# KiCad board srvant.kicad_pcb (continued)
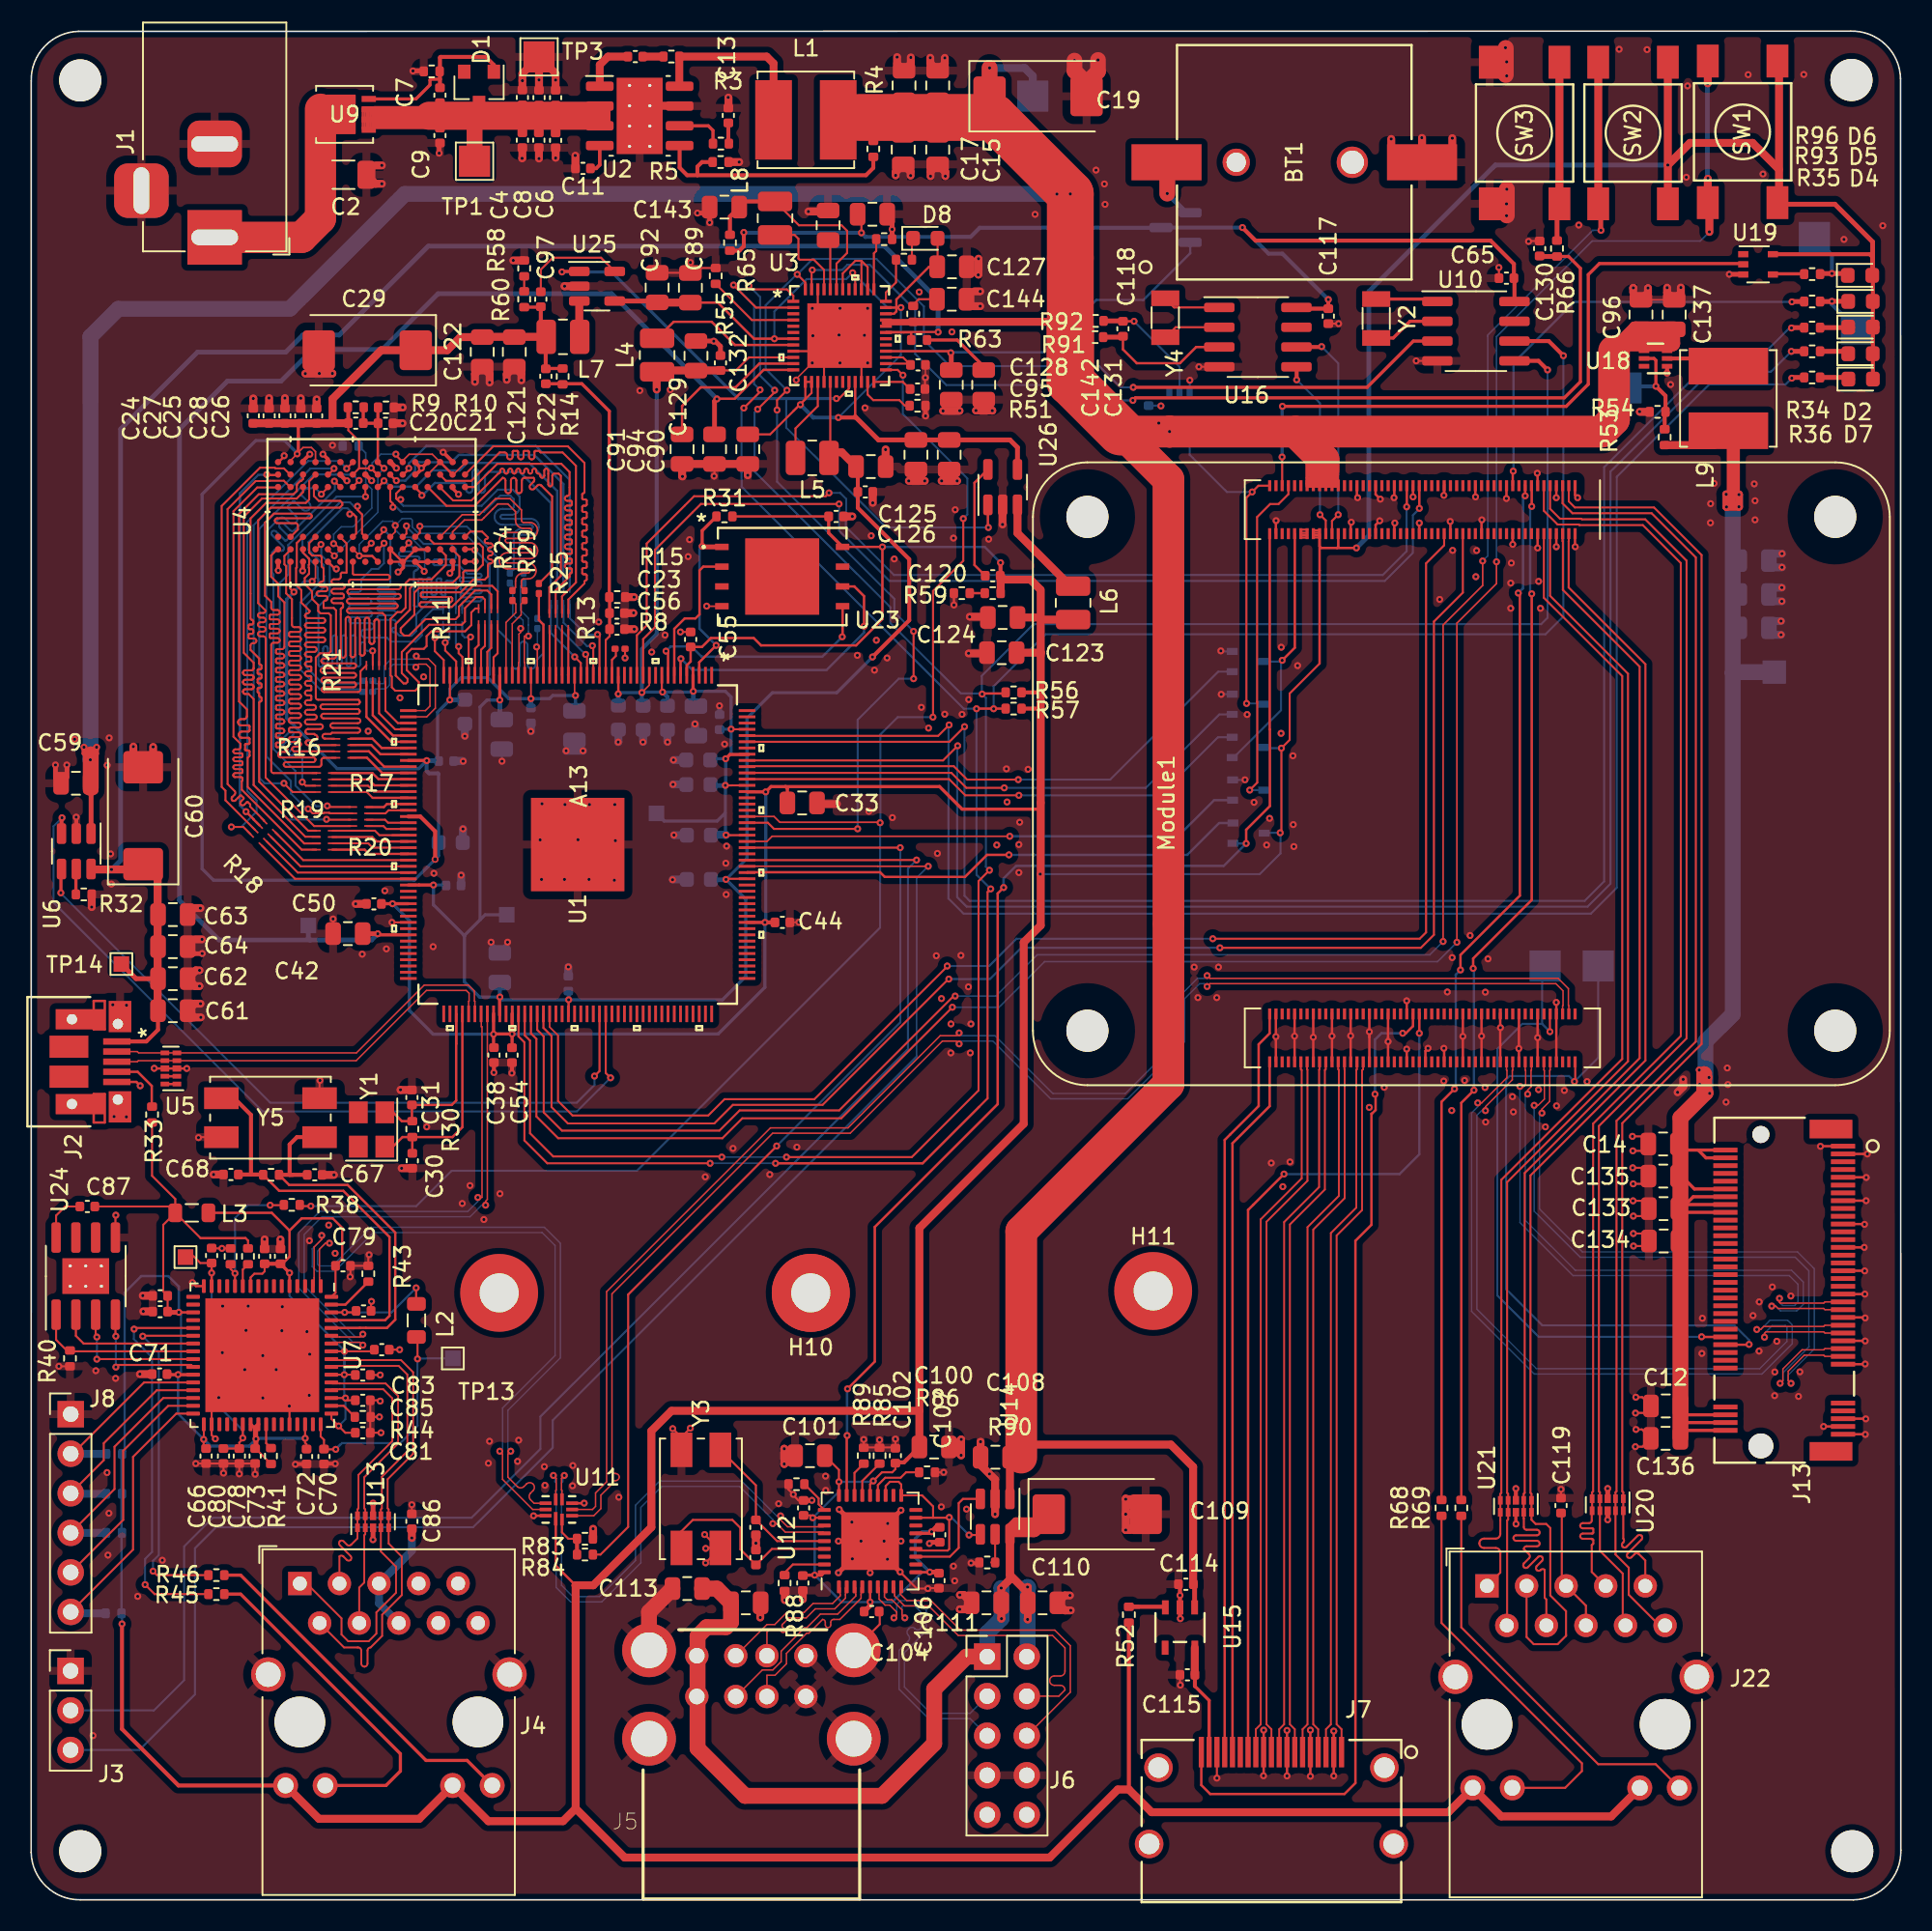
[diagram p0: board, top side]
## Routing (per net, layer and track width the routed paths; a pad name or vN(x,y) marks a point on that pad's centre or on a via; arc(x,y) is an arc through that point) (continued)
  Top w0.508: 62.88,28.42 62.82,28.37 U14.1 ; 56.64,101.34 66.28,101.34 66.7,100.91 ; 74.62,20.27 74.58,20.31 74.58,27.8 73.15,29.24 64.16,29.24
  Top w1.016: 101.6,99.46 103,100.85 C137.1 ; 102.05,97.88 102.05,99.9 ; 105.33,100.59 105.33,99.95 102.09,99.95 ; 3.83,71.4 3.83,73.56 ; C19.1 61.52,117.64
  Top w2.032: 101.6,99.46 101.6,95.07 100.81,94.28 81.15,94.28 ; 81.15,94.28 82.96,92.48 82.96,91.82 ; 81.15,94.28 73.07,94.28 v1(73.07,94.29) 73.06,94.28 69.93,94.28 73,91.21 73,62.71 ; 63.55,28.4 63.55,42.93 73,52.38 73,62.61
  Top w3: 66.7,100.91 v1(66.7,109.55) 61.79,114.46 53.14,114.46
  Top w3.048: 66.73,97.49 69.93,94.28 ; 66.7,100.91 66.7,97.49
  Bottom w0.13: 71.68,95 C116.1 71.89,94.83 ; v1(73.07,94.29) 73.06,94.3
  Bottom w0.203: 71.89,94.83 v1(72.38,94.83) U17.5
  Bottom w0.254: 73.06,94.3 U17.5
  Bottom w0.508: TP2.1 64.29,117.12 63.77,117.64 v1(61.52,117.64)
  Bottom w1.016: v1(66.7,109.55) 23.98,109.55 16.6,102.18 5.59,102.18 3.81,100.39 ; v1(3.8,73.21) 3.81,73.22 3.81,100.39 ; 3.81,100.39 3.81,96.22
  vias: v1(65.84,109.54)
/+5V_OTG: length 115
  Top w0.102: 6.85,66.17 C60.1 ; U6.6 3.88,66.17
  Top w0.13: v1(58.21,100.68) 58.21,100.68 54.9,100.68 U3.31 56.49,100.65
  Top w0.152: 56.49,100.65 R63.1
  Top w0.254: J2.1 7.39,55.12 8.14,55.87 C61.1
  Top w0.305: TP14.1 6.73,59.16 C62.1
  Top w0.508: 3.88,66.17 6.85,66.17 ; C60.1 8.12,65.58 8.12,57.12
  Bottom w0.305: v1(58.21,100.68) 58.21,102.76 54.77,106.2 25.49,106.2 19.78,100.49 17.44,100.49 16.34,99.39 10.68,99.39 5.74,94.45 5.74,66.75 v1(5.16,66.17)
/a13 usb/ethernet/VDD18CORE: length 17.5
  Top w0.13: 13.58,29.77 v1(13.58,29.66) ; 13.58,29.77 13.58,29.59 13.36,29.37 C78.1 C80.1 ; 13.58,29.77 U7.38 ; 11.58,40.9 C82.1 10.86,40.9 10.43,41.33 9.96,41.33
  Top w0.147: U7.15 v1(11.58,40.26) 11.58,40.9
  Bottom w0.13: v1(13.58,29.66) 13.58,30.16 11.58,32.16 v1(11.58,40.26)
/a13 usb/ethernet/VDD18ETHPLL: length 16.7
  Top w0.13: L2.1 24.8,36.08 v1(24.8,34.74) ; U7.48 18.58,29.76 18.8,29.54 C70.1 18.82,28.93 v1(19.55,28.93)
  Bottom w0.13: 19.81,29.24 19.55,28.97 v1(19.55,28.93) 19.96,29.34 23.7,29.34 24.8,30.44 v1(24.8,34.74) 24.83,34.77 TP13.1
/a13 usb/ethernet/VDD18USBPLL: length 8
  Top w0.13: 20.01,37.73 20.76,37.73 C74.1 ; 20.01,37.73 v1(20.12,37.73) ; 20.01,37.73 U7.62 ; L2.2 24.71,38.29 v1(24.71,39.3)
  Bottom w0.13: v1(24.71,39.3) 23.14,37.73 v1(20.12,37.73)
/a13 usb/ethernet/VDD33A: length 43.2
  Top w0.13: C85.1 20.32,32.08 v1(20.17,32.23) U7.51 ; 20.21,35.23 21.92,35.23 C84.1 ; 20.21,35.23 v1(20.11,35.23) ; 20.21,35.23 U7.57 ; U7.10 14.08,39.97 14.33,40.21 14.83,40.21 14.99,40.36 C76.1 ; C79.1 19.54,38.99 U7.64 ; 19.63,30.53 19.27,30.89 U7.49 ; 19.63,30.53 v1(19.74,30.43) ; 19.63,30.53 20.17,30 C81.1 ; 20.96,33.66 20.89,33.73 v1(20.1,33.73) U7.54 ; C77.1 16.13,40.85
  Top w0.147: C79.1 19.96,41.15 19.96,43.15 19.35,43.76 17.37,43.76 ; U7.5 v1(16.58,40.26)
  Top w0.152: 16.58,42.98 16.58,41.3 16.13,40.85 ; 16.58,42.98 15.44,44.12 L3.2 ; 16.58,42.98 17.37,43.76
  Top w0.203: v1(16.58,40.26) C77.1
  Top w0.254: C76.1 C77.1
  Bottom w0.13: v1(19.74,30.43) 20.17,30.87 v1(20.17,32.23) 20.1,32.3 v1(20.1,33.73) ; v1(16.58,40.26) 16.58,38.79 20.1,35.28 v1(20.1,33.73) ; v1(20.1,33.73) 20.11,33.74 v1(20.11,35.23)
/BMC PMU/VDD_RTC: length 24
  Top w0.152: v1(59.03,99.35) 58.93,99.45 U3.28
  Top w0.305: 59.06,99.37 C142.2
  Bottom w0.152: v1(59.03,99.35) 59.06,99.38 65.01,99.38 68.37,102.74 71.4,102.74 74.39,105.74 D3.2
/BMC PMU/VINT: length 3.4
  Top w0.13: U3.26 56.36,98.65 C128.1 55.96,99.05 U3.27
/cm4/CM4_GPIO ( Ethernet, GPIO, SDCARD)/+1.8v: length 1.6
  Top w0.13: 81.51,87.48 81.91,87.48 ; 81.51,87.99 81.91,87.99 ; 81.51,87.63 81.91,87.63 ; 81.5,87.78 81.9,87.78
/cm4/PCIe-connector/3V3P_FB: length 7.5
  Top w0.102: 104.92,95.54 R54.1
  Top w0.203: U18.5 104.17,98.98 104.29,98.86 v1(104.29,97.2)
  Top w0.254: R54.1 104.9,96.59 v1(104.29,97.2) ; 104.92,95.54 104.85,95.47 R53.2
  Bottom w0.152: v1(104.29,97.2) 104.28,97.19 ; 102.47,97.19 TP8.1
  Bottom w0.254: 104.28,97.19 102.47,97.19
/cm4/PCIe-connector/+3V3 PCIe: length 126.6
  Top w0.13: 105.75,42.81 105.75,46.34 105.91,46.5 105.82,46.59 105.82,48.09 105.88,48.15 107,48.15 ; L9.2 109.21,94.34 ; L9.2 108.94,93.37 ; L9.2 109.42,93.86 ; L9.2 108.02,93.42 ; L9.2 108.89,94.29 ; L9.2 108.94,94.03 ; L9.2 109.09,94.19 ; L9.2 109.87,94.34 ; L9.2 109.27,94.01 ; 106.31,30.15 105.85,29.68 ; 109.42,90.27 109.45,90.24 v1(109.62,90.24) ; v1(108.8,90.26) 108.93,90.26 109.09,90.42 ; v1(108.8,90.26) 108.9,90.26 108.94,90.22 ; v1(108.8,90.26) 108.82,90.24 ; 108.89,89.66 108.89,89.52 v1(108.82,89.45) ; 105.86,31.27 105.86,31.22 105.81,31.17 ; 106.01,44.04 106.01,44.32 105.93,44.4 106.18,44.65
  Top w0.203: 109.56,89.46 109.27,89.75 109.27,94.01 ; J13.4 107.5,47.65 107,48.15 ; v1(108.82,89.45) 108.82,89.46 109.09,89.74 ; J13.74 106.31,30.15 ; J13.2 105.88,48.15 ; 105.93,44.4 106.68,45.15 J13.14 ; 106.01,44.04 106.12,44.15 J13.18 ; 105.86,31.27 105.86,30.66 105.87,30.65 J13.72 ; 105.91,46.5 106.76,45.65 J13.12 ; J13.70 105.83,31.15 105.81,31.17 ; J13.16 106.18,44.65
  Top w0.508: v1(108.82,89.45) 108.94,89.57 ; v1(108.82,89.45) 108.83,89.46 v1(109.62,89.46) v1(109.62,90.24) 109.6,90.26 v1(108.8,90.26) ; v1(108.82,89.45) 108.82,90.24 ; 109.42,90.27 109.42,93.86 ; 109.09,89.74 109.09,94.19 ; R53.1 108.02,93.42
  Top w1.016: 107.39,53.03 107.39,51.91 107.47,51.83 105.86,50.22 105.86,29.7
  Bottom w0.102: 107.47,51.83 107.46,51.84 107.44,51.84
  Bottom w0.13: 108.8,89.47 v1(108.82,89.45)
  Bottom w0.508: v1(109.62,90.24) v1(109.62,89.46) ; v1(108.8,90.26) 108.8,89.47
  Bottom w1.016: 109.22,78.79 109.27,78.84 TP7.1 ; 109.22,78.79 109.22,90.02 ; 109.22,78.79 109.22,56.87 107.47,55.12 107.47,51.83
  vias: v1(107.07,53.29) v1(107.1,52.37) v1(107.7,52.81) v1(107.74,51.79)
/cm4/USB2-HUB/VBUS: length 67.1
  Top w0.127: U14.6 63.15,23.8
  Top w0.508: C110.1 63.97,20.08 v1(63.96,20.09) ; C110.1 63.97,18.02 v1(63.96,18.01) ; C110.1 63.97,19.72 62.82,20.87 U14.6 ; v1(62.28,18.06) 62.27,18.07 C111.1 v1(62.27,20.03) 62.82,20.58 U14.6 ; U14.6 62.82,23.94 63.2,24.31 64.86,24.31 C109.1
  Top w1.016: 63.15,23.8 64.35,23.8 C109.1 ; C113.1 44.01,19.99 C112.1 44.92,17.83 44.6,17.51 43.36,17.51 42.77,16.93 42.77,9.73 45.82,6.68 54.61,6.68 57.96,10.03 57.96,13.54 60.05,15.62 J6.1
  Bottom w1.016: J6.2 63.96,15.67 v1(63.96,20.09) 64.01,20.04 ; v1(62.27,20.03) 62.28,20.01 v1(62.28,18.06) 61.37,17.15 J6.1
/external power/+12v: length 40
  Top w0.13: 21.28,115.04 21.28,113.72 ; 21.76,115.02 21.76,113.7 ; 21.61,115.02 21.61,113.7 ; 21.88,115.02 21.88,113.7 ; 22.01,115.02 22.01,113.7 ; 21.52,115.03 21.52,113.71 ; 21.4,115.02 21.4,113.7 ; 21.66,115.04 21.66,113.72
  Top w0.25: 31.58,115.06 31.58,115.04
  Top w0.508: 22.12,113.97 25.38,113.97 ; 22.07,114.74 25.33,114.74 ; 36.93,115.17 36.93,113.9 ; 22.09,114.38 25.35,114.38 ; 22.06,114.94 25.32,114.94 ; U2.2 U2.3
  Top w1.016: 28.02,114.57 28.46,114.13 TP1.1
  Top w1.8: 25.54,114.57 36.29,114.57
GND: length 457.8
  Top w0.09: v1(54.84,93.13) 54.84,93.14 54.85,93.14 ; v1(57.4,97.75) 57.4,97.75 C128.2 ; v1(49.11,97.6) 49.11,97.67 v1(50.14,98.7)
  Top w0.1: v1(23.78,46.98) 23.78,46.98
  Top w0.102: 38.09,82.62 C23.2 ; v1(49.28,62.78) 49.27,62.77 C44.1 ; 102.83,103.25 C96.2 C137.2 ; v1(43.36,83.08) 43.36,83.08 44.34,83.08 ; v1(16.29,96.44) 16.29,96.44 ; v1(15.27,96.44) 15.27,96.43 ; v1(51.72,70.38) 51.71,70.37 ; 38.65,82.63 v1(38.67,82.65) ; v1(103.24,95.57) 103.25,95.55 ; 1.56,72.06 C59.2 2.3,72.08 ; 3.89,63.76 v1(3.89,63.75)
  Top w0.126: 21.52,91.47 21.56,91.47 ; 21.45,91.5 21.45,91.53 21.46,91.53
  Top w0.127: C131.1 60.64,95.84 v1(60.64,95.64) ; 61.33,27.85 61.33,28.42 ; C108.2 61.25,28.42 61.3,28.37 ; 59.21,29.08 C100.2 59.16,29.08 ; 57.74,22.96 v1(57.66,22.89) ; 60.6,19.31 C111.2 ; 59.69,29.56 v1(59.7,29.57)
  Top w0.13: v1(94.21,104.83) 94.21,104.82 C65.1 ; v1(10.74,48.95) 10.77,48.98 Y5.4 ; 48.87,28.52 C101.2 48.79,28.52 ; C127.1 60.58,104.35 v1(60.79,104.35) 60.81,104.37 ; C127.1 60.04,104.86 ; C127.1 60.57,105.39 v1(60.81,105.39) ; U3.22 53.29,99.05 U3.49 ; 60.54,103.29 C144.1 ; C144.1 60.49,102.34 ; C144.1 60.41,102.79 ; C144.1 60.41,102.79 ; C55.1 v1(41.67,81.42) ; 103.87,42.31 103.55,41.99 v1(102.85,41.99) ; v1(94.63,118.94) 94.38,118.69 94.38,117.46 ; v1(94.63,118.94) 94.56,118.94 ; v1(94.63,118.94) 94.65,118.92 ; v1(5.44,43.97) 5.41,43.94 U24.5 ; C2.2 21.52,110.68 ; Y3.2 43.29,21.65 v1(43.29,21.64) ; Y3.2 44.09,22.6 v1(43.23,23.46) ; Y3.2 43.33,22.6 v1(43.3,22.57) ; v1(11.82,29.61) 11.58,29.85 U7.34 11.58,31.8 v1(12.04,32.25) 13.79,34 v1(13.79,36.57) 13.79,36.02 U7.65 ; v1(15.73,34.05) 14.83,34.95 U7.65 ; U7.65 14.84,34.98 v1(14.87,34.95) ; U7.65 14.64,34.98 v1(13.71,34.05) ; U7.65 16.09,36.23 v1(16.09,36.55) 16.09,34.16 v1(17.85,32.4) 17.16,31.71 v1(16.57,31.71) 16.58,31.7 U7.44 ; v1(19.38,62.99) C42.2 ; v1(22.4,32.03) 22.35,32.08 C85.2 C81.2 v1(22.45,30) ; v1(18.5,98.02) v1(19.34,98.02) 19.34,98.64 C29.2 18.46,98.63 ; 103.89,46.48 103.39,45.98 v1(102.83,45.98) ; v1(15.99,42.42) 16,42.41 ; v1(73.76,13.79) 73.74,13.82 C115.2 ; v1(21.69,41.43) 21.64,41.38 R43.1 20.5,40.72 C79.2 20.5,40.04 v1(20.47,40.01) ; C89.1 v1(42.31,105.15) ; C89.1 42.64,104.79 R55.1 ; C89.1 42.3,104.49 C92.2 ; C103.2 49.25,25.65 48.92,25.98 v1(48.92,26.04) 48.61,26.34 R87.2 ; R39.2 v1(12.24,41.84) 11.6,41.84 C82.2 ; U3.9 50.89,99.45 ; 50.89,99.45 U3.16 ; 50.89,99.45 U3.49 ; C106.2 57.58,20.02 v1(57.56,19.99) 56.85,19.99 v1(55.78,21.06) ; v1(95.3,26.41) 95.3,26.41 ; R86.2 v1(58.57,27.46) ; 117.78,46.4 v1(117.79,46.39) ; v1(53.44,29.57) R89.2 53.46,29.06 55.47,29.06 ; v1(102.78,49.03) 103.41,49.03 103.97,48.47 103.97,48.12 ; R8.1 v1(38.12,79.75) ; v1(14.38,27.33) C73.1 C66.2 10.57,28.02 v1(10.57,28.02) ; 117.71,34.4 v1(117.72,34.41) ; C74.2 21.82,38.4 v1(21.84,38.43) ; 117.69,37.4 v1(117.72,37.37) ; 94.72,108.17 v1(94.7,108.15) ; 117.68,40.4 v1(117.69,40.39) ; 50.11,25.65 v1(50.12,25.66) ; v1(18.54,52.62) 18.51,52.59 Y5.2 ; J7.17 v1(76.11,7.82) ; 23.84,94.82 v1(23.84,94.82) ; 117.75,30.9 v1(117.76,30.89) ; v1(102.8,47.01) 103.37,47.01 103.88,46.5 ; v1(105,98.04) 105.01,98.05 ; 51.15,108.81 C145.1 51.15,108.68 ; U4.G1 23.05,92.33 ; v1(102.82,44.89) 103.37,44.89 103.87,44.39 103.39,43.91 v1(102.84,43.91) ; v1(102.97,29.1) 103.42,29.1 C136.2 103.39,30.21 v1(103.01,30.21) ; 89.28,113.14 v1(89.26,113.16) ; v1(49.89,108.42) 49.89,108.46 ; 54.02,89.71 v1(54.02,89.71) ; 23.85,95.84 v1(23.85,95.84) ; 60.66,95.55 60.64,95.57 v1(60.64,95.64) ; 59.59,95.61 v1(59.6,95.63) 59.6,95.8 C142.1 58.53,95.81 v1(58.53,95.61) ; U16.4 v1(74.96,98.45) ; R40.1 1.78,34.26 v1(1.78,34.26) ; v1(102.81,48.1) 103.46,48.1 103.9,48.54 ; v1(96.11,106.5) 96.14,106.53 C130.2 ; v1(42.31,30.29) 41.74,29.72 Y3.4 41.74,29.7 v1(41.18,30.26) ; v1(95.31,24.14) 95.31,24.3 95.3,24.31 ; 38.71,82.61 v1(38.67,82.65) ; v1(48.34,28.97) 48.34,28.97 ; v1(23.65,35.33) C84.2 ; R44.1 v1(22.35,31.01) ; v1(57.4,97.75) 57.37,97.72 C95.2 57.4,97.05 ; U3.49 50.49,101.85 U3.46 ; SW3.4 93.78,108.92 ; 117.66,43.4 v1(117.68,43.38) ; 103.89,31.27 102.99,31.27 v1(102.98,31.26) ; C86.2 v1(24.43,25.37) ; U1.79 v1(23.16,62.77) ; 7.27,33.76 7.27,33.76 ; C104.2 54.47,18.48 54.47,17.7 J5.MT4 ; 36.07,23.2 R83.2 ; C131.1 61.69,95.79 v1(61.69,95.63) ; C117.2 83.92,101.22 v1(83.92,101.22) ; 48.39,19.87 R88.1 ; C94.2 43.86,91.46 v1(43.84,91.43) ; 109.88,104.39 U19.3 ; 94.69,118.01 v1(94.71,118.03) ; SW3.3 93.83,118.01 ; 117.6,47.9 v1(117.86,47.9) ; v1(102.84,42.79) 103.92,42.79 103.94,42.81 ; U4.G9 U4.F9 ; 30.95,105.28 v1(30.95,105.28) ; C80.2 v1(12.34,27.41) ; C102.2 v1(55.47,29.59) ; 114.86,48.4 v1(114.85,48.39) ; C119.2 v1(98.2,26.37) ; 117.71,35.9 v1(117.72,35.89) ; C83.2 v1(22.4,33.71) ; v1(16.96,27.97) 16.98,27.99 ; 57.37,95.98 R51.1 ; 94.65,117.19 v1(94.71,117.13) ; R85.2 v1(54.46,29.54) ; U10.4 v1(88.9,98.83) ; C78.2 v1(13.36,27.36) ; v1(103,32.28) 103.41,32.28 C12.2 ; 27.04,90.73 U4.B3 ; 117.72,29.9 v1(117.73,29.89) ; C105.2 49.55,19.89 ; 94.69,108.92 v1(94.7,108.91) ; 25.13,117.45 25.16,117.48 ; BT1.2 89.72,111.58 ; 14.99,42.41 v1(14.98,42.42) ; 55.26,107.93 C141.1 ; 18.82,28.01 C70.2
  Top w0.147: v1(19.59,85.47) 19.51,85.47 U4.M9 ; 28.58,85.93 28.56,85.94 27.86,85.94 U4.A9 ; v1(44.74,115.75) 44.76,115.73 ; 27.05,85.9 27.05,85.47 26.8,85.22 ; 23.05,85.9 23.05,86.7 ; 23.92,86 23.92,85.87 ; 23.92,85.87 23.92,85.54 23.62,85.24 ; 23.92,85.87 23.89,85.87 23.05,86.71 U4.G8 ; U4.T9 15.85,85.93 ; 28.45,85.9 v1(28.51,85.96) ; v1(10.35,39.64) 10.58,39.41 U7.16 ; 25.52,86.67 25.46,86.73 U4.E8 ; U4.P9 17.46,85.93 17.52,85.87 ; v1(26.87,85.19) 27.12,85.44 27.12,85.87 ; v1(17.42,85.35) 17.45,85.37 ; U4.J8 21.79,87.07 21.92,87.07 ; v1(23.55,85.27) 23.85,85.57 23.85,85.9 24.65,86.7 25.45,86.7 ; 44.76,115.13 44.82,115.07 ; 16.19,92.76 16.22,92.76 v1(16.24,92.74) 16.24,92.69 15.85,92.3 ; v1(15.86,85.37) 15.85,85.38
  Top w0.152: 56.6,92.04 C88.2 ; C88.2 56.79,91.58 v1(56.33,91.12) 56.34,91.12 ; C88.2 57.36,91.29 v1(57.36,91.12) ; 89.5,53.86 89.5,54.52 v1(89.66,54.69) ; v1(80.61,10.88) J7.8 v1(80.61,7.96) ; v1(90.68,90.2) 90.7,90.21 90.7,90.86 ; 81.1,55.31 81.1,56.94 ; 81.1,55.31 v1(81.1,55.47) ; 81.1,55.31 81.1,53.86 ; 87.1,55.37 v1(87.1,55.12) ; 87.1,55.37 87.1,56.94 ; 87.1,55.37 87.1,53.86 ; v1(97.89,90.04) 97.9,90.05 97.9,90.86 ; 97.9,53.86 97.9,57.63 v1(97.89,57.63) ; 83.5,55.37 83.5,56.94 ; 83.5,55.37 83.5,53.86 ; 83.5,55.37 v1(83.5,55.47) ; v1(94.69,89.99) 94.7,90 94.7,90.86 ; 93.1,55.37 v1(93.1,55.47) ; 93.1,55.37 93.1,56.94 ; 93.1,55.37 93.1,53.86 ; v1(7,52.28) 6.76,52.52 J2.5 ; 84.7,55.39 v1(84.7,55.49) ; 84.7,55.39 84.7,56.94 ; 84.7,55.39 84.7,53.86 ; v1(84.73,88.47) 84.7,88.43 84.7,87.78 ; v1(58.44,91.12) 58.44,91.37 C93.2 59.44,91.34 v1(59.44,91.12) ; v1(88.29,57.73) 88.3,57.73 88.3,56.94 ; J13.51 117.71,35.9 ; v1(91.08,88.52) 91.1,88.51 91.1,87.78 ; 86.3,90.86 86.3,90.25 v1(86.6,89.95) ; 95.1,87.78 95.1,87.05 v1(95.1,87.05) ; J13.1 114.86,48.4 ; 94.3,53.86 94.3,56.94 94.3,56.66 ; 89.1,87.78 89.1,88.41 v1(89.1,88.42) ; 99.1,90.86 99.1,90.21 v1(99.26,90.04) ; 82.3,55.3 82.3,56.94 ; 82.3,55.3 v1(82.3,55.4) ; 82.3,55.3 82.3,53.86 ; J13.9 117.78,46.4 ; J13.73 v1(115.05,30.4) ; J13.27 v1(117.66,41.9) ; 38.08,83.61 R15.2 ; 95.5,56.94 95.5,53.86 ; 60.25,82.4 v1(60.24,82.39) ; 99.1,87.78 99.1,86.91 v1(99.11,86.89) ; 93.1,87.78 93.1,88.6 v1(93.12,88.62) ; v1(90.68,54.69) 90.7,54.67 90.7,53.86 ; J13.71 117.75,30.9 ; v1(86.56,88.56) 86.3,88.3 86.3,87.78 ; v1(88.7,90.09) 88.7,90.1 88.7,90.86 ; J13.57 117.71,34.4 ; 91.9,55.4 v1(91.9,55.45) ; 91.9,55.4 91.9,53.86 ; 91.9,55.4 91.9,56.94 ; 87.5,87.78 87.5,88.38 v1(87.53,88.42) ; v1(96.67,91.62) 96.7,91.59 96.7,90.86 ; 92.7,90.86 92.7,90.11 v1(92.71,90.09) ; R59.2 59.23,83.91 v1(59.23,83.15) ; 96.7,87.78 v1(96.7,86.82) 96.67,86.79 ; v1(85.14,90.04) 85.1,90.09 85.1,90.86 ; v1(87.48,90.04) 87.5,90.06 87.5,90.86 ; 61.09,80.22 61.08,80.23 ; v1(82.11,10.9) J7.5 v1(82.11,7.94) ; v1(79.91,88.57) 79.9,88.56 79.9,87.78 ; v1(7.9,53.4) 7.91,53.39 U5.8 U5.3 v1(9.99,53.39) ; 79.9,53.86 79.9,55.23 ; 79.9,55.23 79.9,56.94 ; 79.9,55.23 v1(79.9,55.44) ; J13.21 117.66,43.4 ; v1(83.61,10.84) J7.2 v1(83.61,7.96) ; 96.7,56.94 96.7,53.86 ; J13.33 117.68,40.4 ; v1(79.1,7.97) 79.11,7.98 J7.11 v1(79.11,10.9) ; 88.3,53.86 88.3,54.63 v1(88.29,54.64) ; U11.5 35.49,25.47 ; J13.39 v1(117.7,38.9) ; J13.15 v1(117.78,44.9) ; 85.9,55.4 v1(85.9,55.75) ; 85.9,55.4 85.9,56.94 ; 85.9,55.4 85.9,53.86 ; C67.1 18.69,46.55 ; J13.45 117.69,37.4 ; v1(97.89,86.89) 97.9,86.9 97.9,87.78 ; U11.10 32.25,24.67 ; J13.75 117.72,29.9 ; J13.3 117.6,47.9
  Top w0.2: U2.7 41.63,115.2 ; 44.73,115.16 44.82,115.07
  Top w0.203: U21.8 95.3,24.15 v1(95.31,24.14) ; 32.6,118.35 TP3.1 ; v1(27.43,90.26) 27.05,90.64 U4.B3 ; v1(94.71,117.13) 93.83,118.01 ; 94.69,118.01 SW3.3 94.56,118.94 ; 34.94,112 v1(34.92,112.02)
  Top w0.23: U4.E1 24.65,92.32 25.07,91.9 ; U4.E2 24.71,91.53 25.07,91.9 ; 25.07,91.9 25.07,91.95 U4.D1 ; 17.45,92.4 17.45,92.3 17.45,92.3 ; 17.45,92.4 v1(17.88,92.84) ; 17.45,92.4 U4.P1 ; 19.85,91.49 20.25,91.09 ; v1(20.27,91.13) 20.25,91.13 19.92,91.46 ; 19.05,92.3 19.05,92.52 v1(18.73,92.84) ; 27.12,92.28 v1(26.44,92.96)
  Top w0.254: 35.49,25.47 v1(35.5,25.48) ; 73.66,20.27 73.74,20.19 v1(73.74,19.55) U15.2 73.74,18.08 v1(73.76,18.06) ; v1(2.89,69.53) 2.9,69.52 U6.2 ; v1(30.85,53.09) 30.86,53.1 C54.1 ; 16.98,27.99 C72.1 ; v1(60.33,21.63) 60.34,21.62 60.81,21.62 R90.2 ; C107.2 58.24,23.04 ; 17.45,85.37 U4.P9 ; 15.85,85.38 U4.T9 ; C38.1 v1(29.7,53.13) ; C109.2 71.22,24.77 ; v1(19.52,28.01) 18.82,28.01 ; 21.46,91.53 v1(21.85,91.14) ; 105.01,98.05 U18.1 ; 32.25,24.67 v1(32.25,24.66) ; 70.26,25.78 v1(70.26,25.73) ; 60.55,19.36 60.6,19.31 ; 95.3,26.41 U21.3
  Top w0.305: U12.37 53.85,23.09 v1(52.68,24.26) v1(51.87,25.07) ; U12.37 v1(54.75,23.04) v1(55.83,23.04) ; U12.37 v1(53.27,23.04) v1(51.82,23.04) ; U12.37 v1(53.85,21.01) ; U12.37 v1(52.71,21.9) v1(51.82,21.01) ; U12.37 53.85,22.99 v1(54.96,21.87) v1(55.78,21.06) ; U12.37 v1(54.98,24.17) v1(55.83,25.02) ; 23.05,92.33 23.48,91.9 ; 55.26,107.93 v1(55.26,107.28) R62.2 ; v1(26.19,112.17) 26.19,112.81 ; C60.2 7.19,73.13 ; C60.2 6.56,73.36 ; C60.2 7.17,72.75 ; 7.19,73.13 7.58,73.13 ; 7.19,73.13 6.8,73.13 ; 94.36,109.65 93.78,109.08 93.78,108.92 ; 94.36,109.65 94.36,108.49 v1(94.7,108.15) 94.39,108.15 SW3.4 94.69,108.92 ; 94.36,109.65 94.56,109.85 v1(94.72,109.85) ; v1(24.51,117.45) 25.13,117.45 ; U20.8 v1(101.19,24.41) ; 22.12,111.38 C2.2 ; v1(10.98,60.77) 10.49,60.77 C64.2 10.51,61.68 ; v1(1.56,72.88) 1.56,72.06 ; U13.3 21.95,23.14 v1(21.94,23.13) ; C129.2 43.8,100.1 v1(43.81,100.09) 43.91,100.09 44.24,99.76 C132.1 ; v1(2.29,72.88) 2.3,72.87 2.3,72.08 ; v1(109,104.39) 109.88,104.39 ; C107.2 57.74,22.96 ; v1(42.77,108.32) 43.16,108.32 C143.1 43.55,107.71 v1(43.55,107.71) ; C103.2 50.11,25.65 ; R51.1 57.4,95.3 v1(57.41,95.29) ; U20.3 v1(101.19,26.42) ; U13.8 v1(21.95,25.48)
  Top w0.5: C5.2 v1(31.53,116.82) 31.53,117.28 TP3.1 33.66,117.29 C3.2 ; v1(32.6,111.82) 32.6,112.51 ; v1(31.51,111.83) 31.53,111.85 C4.2 ; 33.67,111.87 33.67,112.51
  Top w0.508: v1(105.01,103.53) 105.01,103.2 C137.2 105.89,103.18 v1(105.89,103.54) ; 10.87,63.69 10.46,63.69 C63.2 ; 49.55,19.89 49.53,19.87 v1(49.53,19.3) ; 10.95,61.68 10.51,61.68 ; C126.2 54.02,89.71 ; 103.51,102.94 103.78,103.21 v1(103.78,103.51) ; R15.2 v1(38.7,83.66) ; 59.16,29.08 v1(59.69,28.55) 59.69,29.56 ; v1(57.71,118.3) 57.71,117.94 C16.2 58.64,117.92 v1(58.64,118.29) ; v1(20.83,63.96) 21.5,63.96 ; v1(30.53,97.61) 30.53,97.97 C121.2 31.47,98 v1(31.47,97.58) ; 61.27,82.4 60.25,82.4 ; C2.2 22.1,110.2 v1(22.51,110.2) ; 44.76,115.73 44.76,115.13 ; v1(59.61,19.58) 59.86,19.58 C111.2 59.95,18.66 v1(59.6,18.66) ; v1(10.81,58.68) 10.52,58.68 C62.2 10.58,59.69 v1(10.81,59.69) ; v1(11.71,46.58) C68.1 ; C21.2 23.84,94.82 ; v1(29.43,97.44) 29.43,97.99 C122.2 28.49,97.99 v1(28.49,97.48) ; R5.2 v1(45.45,111.6) ; 89.28,113.14 BT1.2 87.3,111.58 v1(87.3,113.08) ; C112.2 46.8,19.05 v1(46.8,18.13) ; v1(22.51,111.38) 22.12,111.38 ; 103.25,95.55 R54.2 ; v1(7.17,38.8) 7.74,38.8 ; v1(7.2,37.79) 7.76,37.79 ; 15.27,96.43 C27.2 ; C26.2 18.32,96.35 ; v1(52.71,88.84) C58.1 ; 70.26,25.78 v1(70.26,23.75) 70.52,23.75 71.22,24.45 71.22,24.77 v1(70.26,25.73) ; v1(60.92,102.34) 60.49,102.34 ; 7.83,73.38 v1(7.83,74.04) ; v1(60.64,95.64) 61.68,95.64 v1(61.69,95.63) ; 23.78,46.98 C30.1 ; 6.98,33.76 C71.1 ; v1(66.73,18.59) 66.36,18.59 C110.2 66.35,19.55 v1(66.68,19.55) ; v1(58.68,110.69) 58.68,110.96 C15.2 57.73,110.99 v1(57.73,110.69) ; v1(70.26,24.77) C109.2 70.57,25.73 70.31,25.73 ; C1.2 32.6,118.35 ; v1(41.81,91.41) 41.78,91.43 C91.2 C90.2 v1(46,91.48) ; v1(60.92,103.29) 60.54,103.29 ; C56.1 v1(38.71,81.6) ; 6.56,73.36 v1(6.56,74.06) ; 89.72,111.58 91.22,111.58 v1(91.22,113.13) ; v1(49.89,108.42) 51.09,108.42 C145.1 50.99,108.65 ; 16,42.41 C77.2 ; 61.2,80.04 60.18,80.04 ; C11.2 34.94,112 ; 62.35,89.58 v1(62.35,88.32) ; v1(17.6,98.01) 19.33,98.01 v1(19.34,98.02) ; C98.2 v1(46.52,22.9) C99.2 ; v1(59.44,91.12) v1(58.44,91.12) ; v1(60.94,29.42) C108.2 60.94,27.92 61.87,26.99 U14.2 v1(61.87,24.77) ; 51.71,70.37 50.58,70.37 ; v1(36.07,23.83) 36.07,23.2 ; v1(56.45,110.73) 56.45,110.98 C17.2 55.49,110.96 v1(55.49,110.74) ; U2.9 41.61,115.21 ; v1(23.71,52.02) 23.72,52.01 C31.1 ; 18.69,46.55 v1(19.44,46.55) ; 48.87,28.52 v1(48.34,27.99) 48.34,28.97 ; v1(56.46,118.32) 56.46,117.9 C18.2 55.58,117.91 v1(55.58,118.34) ; v1(105.68,51.86) 106.04,52.22 v1(106.04,52.69) ; v1(10.89,56.67) 10.47,56.67 C61.2 10.49,57.55 v1(10.87,57.55) ; U25.2 v1(34.24,103.62) ; v1(60.81,105.39) 60.81,104.37 ; v1(48.34,28.97) 48.79,28.52 ; v1(57.36,91.12) 56.34,91.12 ; v1(48.38,19.25) 48.38,19.82 ; v1(14.26,96.41) 14.26,96.41 C24.2 ; v1(59.7,29.57) 59.21,29.08 ; R58.2 30.95,105.28 ; 102.83,103.25 102.83,103.51 v1(102.84,103.52) ; C23.2 38.65,82.63 ; R10.2 23.85,95.84 ; v1(58.53,95.61) 59.59,95.61 ; C76.2 14.99,42.41 ; R32.2 3.89,63.76 ; 16.29,96.44 C25.2 ; C125.1 54.85,93.14 ; v1(17.31,96.43) C28.2
  Top w1: v1(66.97,118.11) 66.97,117.44 67.74,116.68 68.48,117.42 v1(68.48,118.15)
  Top w1.016: 94.65,118.92 94.65,117.19 ; C113.2 39.66,18.48 J5.MT3 ; v1(94.72,109.85) 94.72,108.17
  Bottom w0.102: v1(27.84,74.73) 27.84,74.74 27.84,74.75 ; 44.2,76.7 v1(44.18,76.68) ; v1(32.07,75.04) 32.08,75.05 ; 27.71,67.91 C40.1 ; C37.1 30.22,73.89 v1(30.22,73.12) ; 37.7,74.19 37.68,74.21 v1(37.68,74.35) ; v1(34.34,73.79) 34.34,73.93 C43.1 35.42,73.91 v1(35.42,73.79) ; 27.6,72.96 27.62,72.94 ; 41.18,65.53 41.17,65.52
  Bottom w0.127: 50.14,100.4 v1(50.18,100.44) 50.14,100.48 ; v1(19.34,93.41) 19.36,93.43
  Bottom w0.13: 39.28,74.36 v1(39.27,74.35) ; Q2.2 76.4,80.17 v1(76.36,80.21) ; Q1.2 76.4,77.43 v1(76.39,77.41) ; 111.98,85.57 C139.2 111.99,86.45 ; U17.3 74.37,96.74 v1(74.37,97.59) ; 41.89,73.45 42,73.34 42,73.25 ; 41.3,68.17 41.29,68.18 ; v1(30.58,61.5) 30.08,61 C34.1 30.08,60.94 v1(29.52,61.5) ; C116.2 72.49,95.96 v1(72.52,95.94) ; v1(77.91,71.93) 77.9,71.92 Q5.2 ; 40.84,74.36 v1(40.85,74.35)
  Bottom w0.305: 44.2,76.7 44.19,76.69 C47.1
  Bottom w0.508: 27.16,73.14 27.71,73.14 ; v1(112.32,82.12) 111.93,82.12 ; v1(27.72,68.77) 27.71,68.77 27.71,67.91 ; v1(112.37,83.39) 111.97,83.39 ; v1(27.6,65.8) 27.6,65.15 C36.1 ; C35.1 v1(41.23,73.2) ; v1(112.38,85.57) 111.98,85.57 ; v1(35.42,73.79) v1(34.34,73.79) ; 27.84,74.75 C32.1 ; 39.28,75.14 39.28,74.36 ; v1(41.2,71.63) 42.18,71.63 ; v1(42.61,75.51) 42.61,74.93 ; C41.1 v1(34.48,59.91) ; 37.69,74.96 37.69,74.36 v1(37.68,74.35) ; v1(112.32,81.24) 111.92,81.24 ; C39.1 41.27,68.37 ; 32.08,75.05 C57.1 ; 40.84,75.14 40.84,74.36 ; v1(112.38,86.45) 111.99,86.45 ; v1(112.37,84.27) 111.98,84.27 ; C51.1 41.18,65.53
  vias: v1(2.79,74.53) v1(3.97,10.55) v1(4.15,33.98) v1(4.88,72.86) v1(4.87,27.44) v1(5.01,74.62) v1(4.99,24.83) v1(4.93,22.14) v1(5.1,67.17) v1(5.15,65.23) v1(5.24,57.48) v1(5.32,50.3) v1(5.42,33.49) v1(6.12,57.45) v1(6.11,50.28) v1(6.84,19.49) v1(6.98,33.76) v1(8.42,21.81) v1(10.86,63.68) v1(10.97,61.68) v1(12.29,38.13) v1(12.27,35.14) v1(13.93,38.13) v1(14.87,32.23) v1(16.12,38.09) v1(17.7,36.49) v1(17.86,42.33) v1(17.88,35.04) v1(18.33,96.36) v1(19.1,43.33) v1(19.51,41.52) v1(21.25,60.73) v1(21.63,75.05) v1(21.83,87.12) v1(22.7,64.8) v1(22.8,61.07) v1(23.44,91.94) v1(23.67,77.19) v1(25.05,91.94) v1(25.19,78.54) v1(25.39,49.64) v1(25.8,61.21) v1(25.85,65.92) v1(27.73,73.12) v1(27.67,44.72) v1(28.17,45.87) v1(29.06,43.69) v1(29.42,29.45) v1(29.35,28.04) v1(30.09,45.35) v1(31.22,28.16) v1(31.29,29.52) v1(32.6,116.87) v1(32.67,68.07) v1(32.79,70.39) v1(32.76,65.53) v1(32.94,27.82) v1(32.98,26.62) v1(33.66,116.86) v1(33.67,111.85) v1(34.26,70.34) v1(34.23,65.53) v1(34.77,27.89) v1(34.75,26.59) v1(35.1,68.08) v1(35.81,65.53) v1(35.84,70.34) v1(36.43,82.06) v1(37.46,70.34) v1(37.5,68.02) v1(37.43,65.48) v1(37.72,25.86) v1(39.07,96.92) v1(39.83,80.13) v1(40.69,81.22) v1(41.02,96.98) v1(41.17,65.51) v1(41.26,68.38) v1(42.17,86.26) v1(42.26,87.35) v1(43.27,46.43) v1(44.51,74.22) v1(44.59,66.57) v1(44.61,64.56) v1(44.64,67.67) v1(45.05,48.26) v1(47.41,46.58) v1(47.98,25.44) v1(49.15,48.34) v1(50.14,102.2) v1(50.99,27.21) v1(51,26.3) v1(51.92,102.2) v1(51.86,100.49) v1(51.92,98.7) v1(53.03,79.92) v1(53.49,100.47) v1(53.52,95.81) v1(53.69,102.2) v1(53.69,98.7) v1(53.77,69.9) v1(53.92,87.6) v1(54.13,78.97) v1(54.25,80.89) v1(54.94,79.75) v1(55.28,69.5) v1(55.4,86.11) v1(57,103.25) v1(57.14,76.58) v1(57.6,75.25) v1(58.1,60.63) v1(58.17,67.2) v1(58.42,25.24) v1(58.43,57.88) v1(58.64,76.14) v1(59.1,100.69) v1(59.04,56.25) v1(59.03,54.39) v1(59.2,87.45) v1(59.2,21.43) v1(59.31,89.27) v1(59.28,20.49) v1(59.68,60.65) v1(59.75,76.13) v1(60.04,25.09) v1(60.17,80.05) v1(60.18,77.08) v1(60.16,58.63) v1(60.32,56.25) v1(60.28,54.39) v1(61.46,87.38) v1(61.51,27.35) v1(61.98,67.74) v1(62.6,72.63) v1(62.64,70.5) v1(63.4,67.77) v1(63.4,65.97) v1(63.45,69.2) v1(63.99,72.6) v1(64.44,108.24) v1(68.35,111.08) v1(68.89,110.19) v1(68.93,108.88) v1(74.65,59.9) v1(74.89,57.94) v1(76.1,57.94) v1(76.21,59.9) v1(78.05,76.12) v1(78.49,70.48) v1(79.3,67.74) v1(79.49,69.45) v1(79.6,47.32) v1(80.23,74.91) v1(80.24,80.44) v1(80.34,45.8) v1(80.8,47.39) v1(80.99,73.47) v1(81.01,69.05) v1(81.05,67.64) v1(81.29,79.26) v1(85.89,50.89) v1(86.85,52.18) v1(90.41,83.51) v1(90.67,52.58) v1(90.9,58.3) v1(91.21,60.51) v1(91.18,50.69) v1(91.24,86.66) v1(92.01,52.62) v1(92.36,61.93) v1(92.73,84.97) v1(92.78,86.65) v1(93.32,52.17) v1(93.34,58.29) v1(93.36,49.95) v1(93.51,60.43) v1(94.31,56.01) v1(95.01,85.85) v1(94.97,84.56) v1(94.97,82.94) v1(95.08,51.58) v1(95.14,50.6) v1(95.49,54.67) v1(96.7,55.37) v1(96.76,84.67) v1(96.75,52.03) v1(96.88,82.94) v1(97.19,49.64) v1(97.91,50.99) v1(98.41,51.98) v1(99.34,107.55) v1(99.87,52.55) v1(101.93,118.84) v1(103.72,118.82) v1(105.23,97.31) v1(106.32,116.49) v1(106.24,110.62) v1(107.27,37.35) v1(107.24,35.09) v1(107.8,89.66) v1(107.79,88.43) v1(108.02,90.96) v1(108.79,51.23) v1(108.87,53.42) v1(108.91,52.36) v1(110.21,117.21) v1(110.52,37.52) v1(110.6,90.93) v1(110.65,89.85) v1(110.65,88.62) v1(110.92,38.4) v1(110.91,35.24) v1(111.16,110.83) v1(111.76,39.36) v1(111.92,33.9) v1(111.91,32.38) v1(112.05,35.87) v1(112.95,38.78) v1(113.44,32.33) v1(113.53,33.91) v1(113.78,117.22) v1(116.36,106.63) v1(118.85,107.51)
